# Altium PCB Split_pcb.PcbDoc (part 1 of 2) (continued)
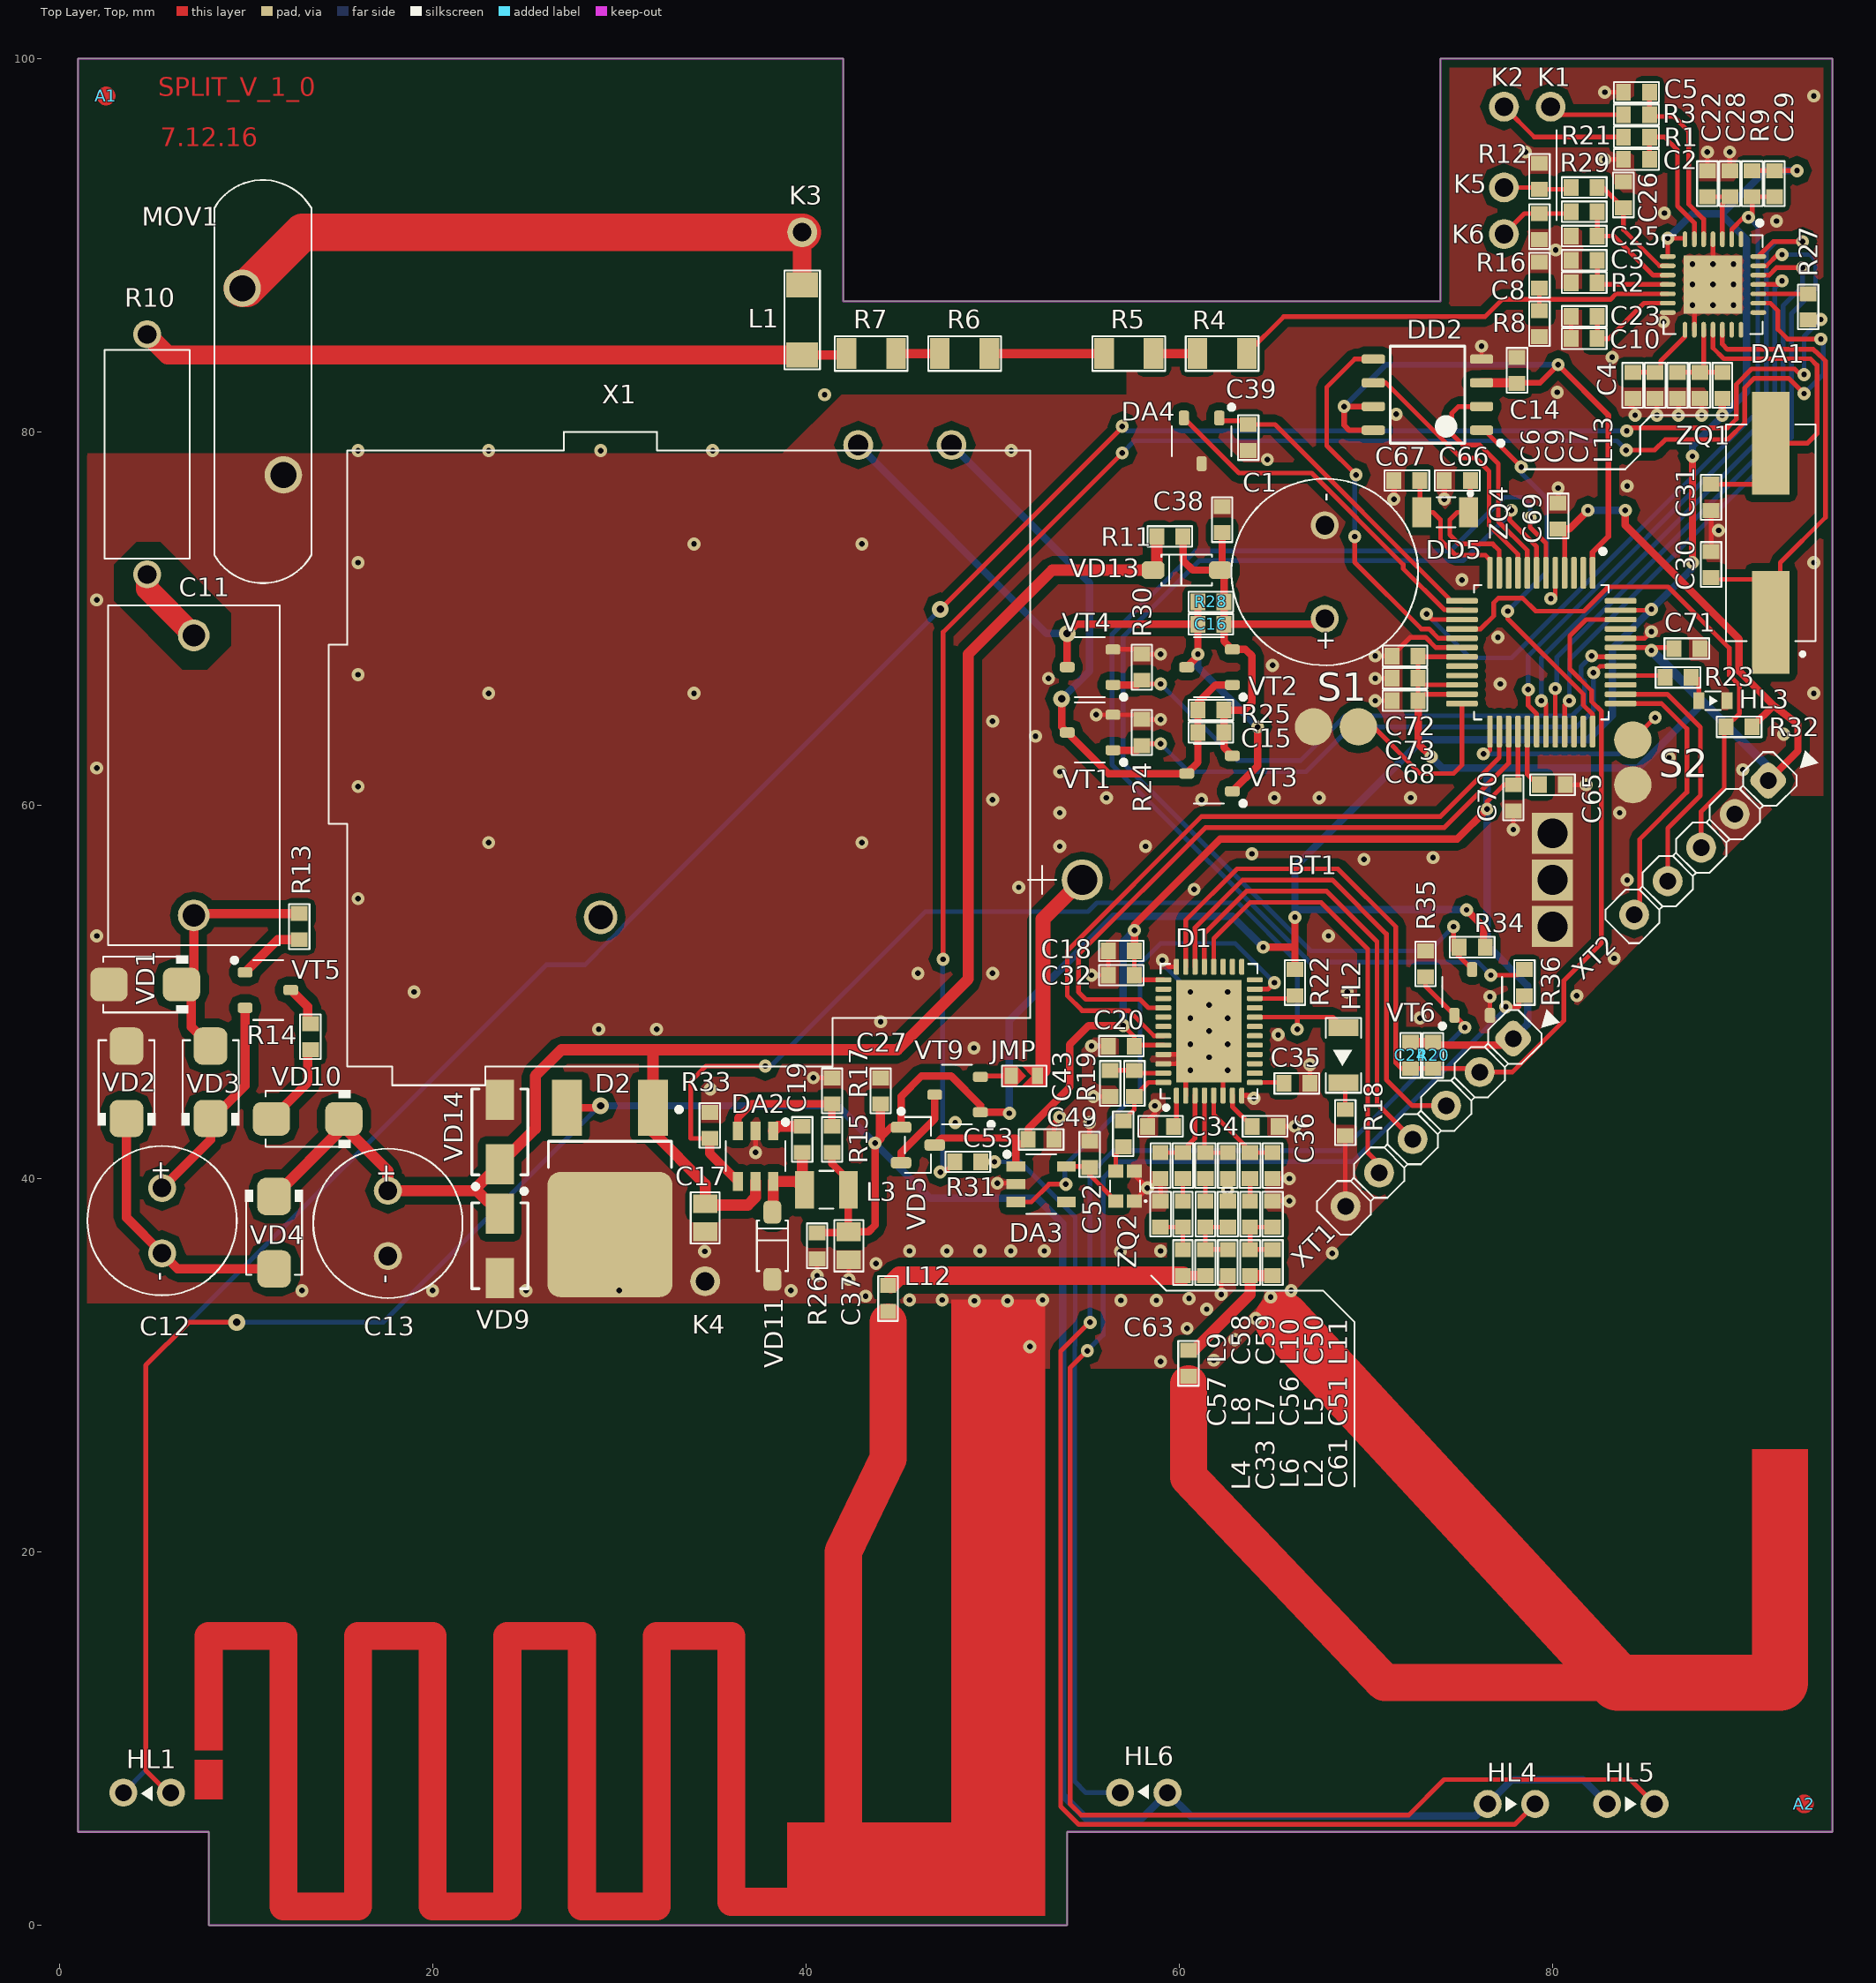
[diagram p0: Top Layer, Top view]
## Footprints (in the part's own frame and the unit in brackets; to place one, negate y for a bottom-side part, rotate by r counter-clockwise, add the part's x,y. Pads: shape width x height; smd on the part's side, far side on the other; paste and mask are expansions set on the pad)
2x1,6_4pin [mm] "4-Leads, Body 2x1,6mm"
  rect 0.7x0.8 smd mask+0.05: 1(-0.8,-0.5) 2(0.8,-0.5) 3(0.8,0.5) 4(-0.8,0.5)
  silkscreen extent -0.85,-1.15 0.3,0.8, body extent -1,-0.8 1,0.8, height 0.8
25PX1000MEFCT810X16 [mm]
  round 1.5 hole 1: 1(-2.5,0) 2(2.5,0)
  silkscreen extent -5,-5 5,5, body extent -4.97,-5.09 5.19,5.04, height 20.32
B32922C3474K189 [mm]
  round 1.7 hole 1.2: 1(-7.5,0) 2(7.5,0)
  silkscreen extent -9.1,-4.6 9.1,4.6, body extent -9,-4.5 9,4.5, height 15
CAP_0603 [mm] "Chip Capacitor, 2-Leads, Body 1,6x0,8mm, IPC High Density"
  rect 0.8x0.9 smd: 1(-0.7,0) 2(0.7,0)
  silkscreen extent -1.2,-0.55 1.2,0.55, body extent -0.87,-0.45 0.87,0.45, height 0.88
CAP_0805 [mm] "Chip Capacitor, 2-Leads, Body 2,0x1,3mm, IPC High Density"
  rect 1x1.3 smd: 1(-0.75,0) 2(0.75,0)
  Top Layer, Top pour cut-out: -0.25,0.825 0.25,0.825 0.25,-0.825 -0.25,-0.825
  silkscreen extent -1.37,-0.77 1.38,0.77, body extent -1.07,-0.7 1.07,0.7, height 1.36
DO-214AC [mm] "Molded Diode, 2-Leads, Body 4,3x2,6mm, IPC Medium Density"
  rect 2.15x1.5 smd: 1(-1.725,0) 2(1.725,0)
  silkscreen extent -3.05,-1.5 2.3,1.5, body extent -2.3,-1.45 2.3,1.45, height 2.6
DPAK [mm]
  rect 3x1.6 smd: 1(-5.1,2.3) 3(-5.1,-2.3)
  rrect20% 6.7x6.7 smd: 2(1.7,0)
  silkscreen extent -5.12,-3.3 -1.9,3.83, body extent -5.81,-3.27 4.13,3.27, height 2.34
ER14250 [mm] "battery"
  round 2.2 hole 1.6: 1(-12.6,0)
  rect 2.2x2.2 hole 1.6: 2(12.6,-2.5) 2(12.6,0) 2(12.6,2.5)
  body extent -12.7,-7.3 12.7,7.2, height 14.75
GRT508B [mm]
  round 1.6 hole 1.1: 1(4.6,-0.3) 2(9.6,-0.3)
  round 1.8 hole 1.3: 6(23.4,25)
  body extent -1,-8 37.6,34.1, height 17.8
HC49US [mm] "2-Leads, Body 12,7x4,7mm"
  rect 5.5x2 smd mask+0.05: 1(-4.8,0) 2(4.8,0)
  silkscreen extent -6.55,-2.4 5.8,2.4, body extent -6.35,-2.35 6.35,2.35, height 4.2
IND_0603 [mm] "Chip Inductor, 2-Leads, Body 1,6x0,8mm, IPC High Density"
  rect 0.8x0.85 smd: 1(-0.7,0) 2(0.7,0)
  Top Layer, Top pour cut-out: -0.3,0.575 -0.3,-0.575 0.3,-0.575 0.3,0.575
  silkscreen extent -1.2,-0.53 1.2,0.53, body extent -0.87,-0.48 0.88,0.48, height 0.96
IND_1007 [mm]
  rect 1x2 smd: 1(-1.173,0) 2(1.173,0)
  silkscreen extent -0.38,-1.02 0.38,1.02, body extent -1.25,-0.89 1.25,0.91, height 1.79
IND_1806 [mm]
  rect 1.35x1.7 smd: 1(-1.875,0) 2(1.875,0)
  silkscreen extent -2.65,-0.95 2.65,0.95, body extent -2.25,-0.8 2.25,0.8, height 1.58
JMP_PCB [mm] "Chip Resistor, 2-Leads, Body 1,6x0,8mm, IPC High Density"
  rect 0.6x0.9 smd: 1(-0.7,0)
  rect 0.7x0.9 smd: 2(0.7,0)
  Top Layer, Top region: 0.108,0.508 -0.4,0 0.108,-0.508 -1.143,-0.508 -1.143,0.508
  Top Layer, Top region: -0.1,0 0.408,0.508 1.143,0.508 1.143,-0.508 0.408,-0.508
  silkscreen extent -1.2,-0.55 1.2,0.55, body extent -0.87,-0.43 0.87,0.43, height 0.51
KX-327NHT [mm]
  rect 1x1.6 smd mask+0.05: 1(-1.2,0) 2(1.3,0)
  silkscreen extent -1.4,-1.1 0.5,0.8, body extent -1.6,-0.75 1.6,0.75, height 0.8
LED_5mm [mm]
  round 1.5 hole 0.9: 1(1.27,0) 2(-1.27,0)
  body extent -2.55,-2.95 2.9,2.95, height 8.25
LED_0603_RED [mm] "Chip Led, 2-Leads, Body 1,6x0,8mm, IPC High Density"
  rect 0.6x0.9 smd: 1(0.75,0) 2(-0.75,0)
  Top Layer, Top pour cut-out: -0.45,0.6 -0.45,-0.6 0.45,-0.6 0.45,0.6
  silkscreen extent -0.4,-0.5 0.4,0.5, body extent -0.87,-0.43 0.87,0.43, height 1.1
LED_1206_RED_Bottom [mm]
  rect 0.9x1.6 smd: 1(-1.475,0) 2(1.475,0)
  Top Layer, Top pour cut-out: -0.85,1 0.85,1 0.85,-1 -0.85,-1
  silkscreen extent -2,-0.95 2,0.95, body extent -1.6,-0.8 1.6,0.8, height 0.25
PLS-5 [mm] "Jumper 5 pins with 2.54mm pich"
  rrect50% 1.6x1.6 hole 0.9: 1(-2.54,0)
  round 1.6 hole 0.9: 2(0,0) 3(2.54,0) 4(5.08,0) 5(7.62,0)
  silkscreen extent -5.1,-1.27 8.89,1.27, body extent -3.81,-1.27 8.89,1.27, height 8.54
PLS-6 [mm] "PLS connector 6 pins with 2.54mm pich"
  rrect50% 1.6x1.6 hole 0.9: 1(-6.35,0)
  round 1.6 hole 0.9: 2(-3.81,0) 3(-1.27,0) 4(1.27,0) 5(3.81,0) 6(6.35,0)
  silkscreen extent -8.72,-1.27 7.62,1.27, body extent -7.62,-1.27 7.62,1.27, height 8.54
QFN-29 [mm] "QFN, 28-Leads, Body 5x5mm, Pitch 0.5mm, Thermal Pad 3.13x3.13mm, IPC Medium Density"
  oval 0.85x0.25 smd mask+0.05: 1(-2.425,1.5) 2(-2.425,1) 3(-2.425,0.5) 4(-2.425,0) 5(-2.425,-0.5) 6(-2.425,-1) 7(-2.425,-1.5) 15(2.425,-1.5) 16(2.425,-1) 17(2.425,-0.5) 18(2.425,0) 19(2.425,0.5) 20(2.425,1) 21(2.425,1.5)
  oval 0.25x0.85 smd mask+0.05: 8(-1.5,-2.425) 9(-1,-2.425) 10(-0.5,-2.425) 11(0,-2.425) 12(0.5,-2.425) 13(1,-2.425) 14(1.5,-2.425) 22(1.5,2.425) 23(1,2.425) 24(0.5,2.425) 25(0,2.425) 26(-0.5,2.425) 27(-1,2.425) 28(-1.5,2.425)
  rect 3.13x3.13 smd mask+0.05: 29(0,0)
  silkscreen extent -3.42,-2.65 2.65,2.65, body extent -2.52,-2.52 2.52,2.52, height 0.9
QFN-40_ [mm] "QFN, 40-Leads, Body 7x5mm, Pitch 0.5mm"
  rrect50% 0.85x0.28 smd mask+0.05: 1(-3.45,1.75) 2(-3.45,1.25) 3(-3.45,0.75) 4(-3.45,0.25) 5(-3.45,-0.25) 6(-3.45,-0.75) 7(-3.45,-1.25) 8(-3.45,-1.75) 21(3.45,-1.75) 22(3.45,-1.25) 23(3.45,-0.75) 24(3.45,-0.25) 25(3.45,0.25) 26(3.45,0.75) 27(3.45,1.25) 28(3.45,1.75)
  rrect50% 0.28x0.85 smd mask+0.05: 9(-2.75,-2.45) 10(-2.25,-2.45) 11(-1.75,-2.45) 12(-1.25,-2.45) 13(-0.75,-2.45) 14(-0.25,-2.45) 15(0.25,-2.45) 16(0.75,-2.45) 17(1.25,-2.45) 18(1.75,-2.45) 19(2.25,-2.45) 20(2.75,-2.45) 29(2.75,2.45) 30(2.25,2.45) 31(1.75,2.45) 32(1.25,2.45) 33(0.75,2.45) 34(0.25,2.45) 35(-0.25,2.45) 36(-0.75,2.45) 37(-1.25,2.45) 38(-1.75,2.45) 39(-2.25,2.45) 40(-2.75,2.45)
  rect 5.5x3.5 smd mask+0.05: 41(0,0)
  silkscreen extent -4.2,-2.6 3.6,2.6, body extent -3.5,-2.5 3.5,2.5, height 1
REPzn [mm]
  Top Layer, Top circle w0.5: c0,0 r0.25
  Top Layer, Top pour cut-out: -0.725,0.7 -0.55,0.825 -0.375,0.925 -0.2,0.975 0,1 0.2,0.975 0.375,0.925 0.55,0.825 0.725,0.7 0.85,0.525 0.925,0.375 0.975,0.175 1,0 0.975,-0.2 0.925,-0.4 0.825,-0.55 0.725,-0.7 0.575,-0.825 0.4,-0.925 0.2,-0.975 0,-1 -0.2,-0.975 -0.375,-0.925 -0.55,-0.825 -0.725,-0.7 -0.825,-0.55 -0.925,-0.375 -0.975,-0.2 -1,0 -0.975,0.2 -0.925,0.375 -0.825,0.55
RES_0603 [mm] "Chip Resistor, 2-Leads, Body 1,6x0,8mm, IPC High Density"
  rect 0.8x0.9 smd: 1(-0.7,0) 2(0.7,0)
  silkscreen extent -1.2,-0.55 1.2,0.55, body extent -0.87,-0.43 0.87,0.43, height 0.51
RES_1206 [mm] "Chip Resistor, 2-Leads, Body 3,1x1,6mm, IPC High Density"
  rect 1.05x1.65 smd: 1(-1.325,0) 2(1.325,0)
  Top Layer, Top pour cut-out: -0.8,0.975 -0.8,-0.975 0.8,-0.975 0.8,0.975
  silkscreen extent -1.95,-0.92 1.95,0.92, body extent -1.62,-0.85 1.62,0.85, height 0.61
RES_TH_1W_68Ohm [mm]
  round 1.5 hole 1: 1(-6.429,0) 2(6.429,0)
  silkscreen extent -5.59,-2.29 5.59,2.29, body extent -6.72,-1.87 6.73,1.88, height 4.38
SMA [mm]
  rrect50% 2x1.8 smd: 1(-1.94,0) 2(1.94,0)
  silkscreen extent -2.3,-1.55 2.25,1.55, body extent -2.42,-1.4 2.42,1.4, height 2.4
SOD123 [mm] "Molded Diode, 2-Leads, Body 2,7x1,65mm, IPC High Density"
  rrect50% 1.22x0.95 smd: 1(-1.8,0) 2(1.8,0)
  silkscreen extent -1.35,-0.83 1.35,0.83, body extent -2.04,-0.82 2.04,0.82, height 0.96
SOIC-8 [mm] "SOIC, 8-Leads, Body 6.2x5mm (max), Pitch 1.27mm, IPC Medium Density"
  rrect50% 1.25x0.5 smd paste+0: 1(-2.9,1.905) 2(-2.9,0.635) 3(-2.9,-0.635) 4(-2.9,-1.905) 5(2.9,-1.905) 6(2.9,-0.635) 7(2.9,0.635) 8(2.9,1.905)
  silkscreen extent -4.05,-2.6 2,2.72, body extent -3,-2.45 3,2.45, height 1.75
SOT23 [mm] "SOT23, 3-Leads, Body 3,0x2,5mm (max), Pitch 0,95mm, IPC High Density"
  rrect50% 1.1x0.6 smd: 1(-0.9,0.95) 2(-0.9,-0.95) 3(0.9,0)
  silkscreen extent -1.02,-1.5 0.7,1.92, body extent -1.25,-1.5 1.25,1.5, height 1.06
SOT-23 [mm] "SOT-23, 6-Leads, Body 2.2x2.2mm (max), Pitch 0.95mm, IPC Medium Density"
  rect 1x0.55 smd mask+0.05: 1(-1.35,0.95) 2(-1.35,0) 3(-1.35,-0.95) 4(1.35,-0.95) 5(1.35,0) 6(1.35,0.95)
  silkscreen extent -1.95,-1.6 0.8,1.73, body extent -1.4,-1.45 1.4,1.45, height 1.45
SOT-23-3 [mm] "SOT-23, 3-Leads, Body 2.2x2.2mm (max), Pitch 0.95mm, IPC Medium Density"
  rrect50% 0.8x0.55 smd mask+0.05: 1(-1.25,0.95) 2(-1.25,-0.95) 3(1.2,0)
  silkscreen extent -1.95,-1.6 0.8,1.73, body extent -1.4,-1.45 1.4,1.45, height 1.3
SOT-23-5 [mm] "SOT-23, 6-Leads, Body 2.2x2.2mm (max), Pitch 0.95mm, IPC Medium Density"
  rect 1x0.55 smd mask+0.05: 1(-1.35,0.95) 2(-1.35,0) 3(-1.35,-0.95) 4(1.35,-0.95) 5(1.35,0.95)
  silkscreen extent -1.95,-1.6 0.8,1.72, body extent -1.4,-1.45 1.4,1.45, height 1.45
"Test Point_TH_1mm" [mm] "ThroughHole Test Point Pad"
  round 1.6 hole 1 mask+0.05: 1(0,0)
TQFP-48 [mm] "QFP, 128-Leads, Body 7x7mm, Pitch 0.5mm"
  rrect50% 1.7x0.3 smd mask+0.05: 1(-4.25,2.75) 2(-4.25,2.25) 3(-4.25,1.75) 4(-4.25,1.25) 5(-4.25,0.75) 6(-4.25,0.25) 7(-4.25,-0.25) 8(-4.25,-0.75) 9(-4.25,-1.25) 10(-4.25,-1.75) 11(-4.25,-2.25) 12(-4.25,-2.75) 25(4.25,-2.75) 26(4.25,-2.25) 27(4.25,-1.75) 28(4.25,-1.25) 29(4.25,-0.75) 30(4.25,-0.25) 31(4.25,0.25) 32(4.25,0.75) 33(4.25,1.25) 34(4.25,1.75) 35(4.25,2.25) 36(4.25,2.75)
  rrect50% 0.3x1.7 smd mask+0.05: 13(-2.75,-4.25) 14(-2.25,-4.25) 15(-1.75,-4.25) 16(-1.25,-4.25) 17(-0.75,-4.25) 18(-0.25,-4.25) 19(0.25,-4.25) 20(0.75,-4.25) 21(1.25,-4.25) 22(1.75,-4.25) 23(2.25,-4.25) 24(2.75,-4.25) 37(2.75,4.25) 38(2.25,4.25) 39(1.75,4.25) 40(1.25,4.25) 41(0.75,4.25) 42(0.25,4.25) 43(-0.25,4.25) 44(-0.75,4.25) 45(-1.25,4.25) 46(-1.75,4.25) 47(-2.25,4.25) 48(-2.75,4.25)
  silkscreen extent -5.52,3.18 -5.28,3.43, body extent -4.51,-4.51 4.51,4.51, height 1.08
UVR1C471MPD1TD [mm]
  round 1.5 hole 1: 1(-1.75,0) 2(1.75,0)
  silkscreen extent -4,-4 4,4, body extent -3.98,-4 3.98,4, height 15
Varistor_14mm [mm]
  round 2 hole 1.4: 1(-5,-1.1) 2(5,1.1)
  silkscreen extent -10.8,-2.6 10.8,2.6, body extent -10.75,-2.61 10.75,2.6, height 26.75

## Part data
BT1: library part ER14250, "Fanso Battery 3.6V", Manufacturer=Fanso, Voltage=3.6В, Autor=Admin, Data=05-26-2016, ID=44, PartNumber=ER14250, Type=Battery, Температура=-40...+85°C
C1: library part 25PX1000MEFCT810X16, "Конденсатор RADIAL 1000 мкФ 25 В 20% Electrolitic", Manufacturer=Rubycon, Tolerance=20%, Autor=Admin, Data=05-24-2016, ID=188, PartNumber=25PX1000MEFCT810X16, Type=RADIAL, Диэлектрик=Electrolitic, Напряжение="25 В", Температура=-55...+85°C
C2 C3 C5 C8 C25 C26: library part CC0603KRX7R9BB333, "Конденсатор CHIP-0603 33 нФ 50 В 10% X7R", Manufacturer=YAGEO, Tolerance=10%, Autor="Цислав А.Н.", Data=09-05-2013, ID=63, PartNumber=CC0603KRX7R9BB333, Type=CHIP-0603, Диэлектрик=X7R, Напряжение="50 В", Температура=-55...+85°C
C4 C7 C10 C18 C22 C27 C68: library part CC0603KRX5R6BB475, "Конденсатор CHIP-0603 4.7 мкФ 10 В 10% X5R", Manufacturer=YAGEO, Tolerance=10%, Autor="Цислав А.Н.", Data=09-05-2013, ID=71, PartNumber=CC0603KRX5R6BB475, Type=CHIP-0603, Диэлектрик=X5R, Напряжение="10 В", Температура=-55...+85°C
C6 C9 C14 C15 C16 C20 C23 C28 C29 C32 C34 C36 C38 C39 C69 C70 C71 C72 C73: library part CC0603KRX7R7BB104, "Конденсатор CHIP-0603 0.1 мкФ 16 В 10% X7R", Manufacturer=YAGEO, Tolerance=10%, Autor=Admin, Data=08-29-2013, ID=27, PartNumber=CC0603KRX7R7BB104, Type=CHIP-0603, Диэлектрик=X7R, Напряжение="16 В", Температура=-55...+85°C
C11: library part "CL21  400V-1.0mF", "Конденсатор RADIAL 1 мкФ 400 В 10% Film", Manufacturer=NoName, Tolerance=10%, Autor=Admin, Data=10-04-2016, ID=194, PartNumber="CL21  400V-1.0mF", Type=RADIAL, Диэлектрик=Film, Напряжение="400 В", Температура=-55...+85°C
C12 C13: library part UVZ1H101MPD1TD, "Конденсатор RADIAL 100 мкФ 50 В 20% Electrolitic", Manufacturer=Nichicon, Tolerance=20%, Autor=Admin, Data=05-23-2016, ID=186, PartNumber=UVZ1H101MPD1TD, Type=RADIAL, Диэлектрик=Electrolitic, Напряжение="50 В", Температура=-55...+85°C
C17: library part CL21A106KAFN3NE, "Конденсатор CHIP-0805 10 мкФ 25 В 10% X5R", Manufacturer=Samsung, Tolerance=10%, Autor=Admin, Data=05-23-2016, ID=184, PartNumber=CL21A106KAFN3NE, Type=CHIP-0805, Диэлектрик=X5R, Напряжение="25 В", Температура=-55...+85°C
C19 C24 C43 C49: library part CC0603KRX7R9BB103, "Конденсатор CHIP-0603 10 нФ 50 В 10% X7R", Manufacturer=YAGEO, Tolerance=10%, Autor=Admin, Data=11-30-2015, ID=155, PartNumber=CC0603KRX7R9BB103, Type=CHIP-0603, Диэлектрик=X7R, Напряжение="50 В", Температура=-55...+85°C
C30 C31 C66 C67: library part CL10C180JB8NNNC, "Конденсатор CHIP-0603 18 пФ 50 В 5% NPO", Manufacturer=Samsung, Tolerance=5%, Autor=Admin, Data=05-16-2016, ID=182, PartNumber=CL10C180JB8NNNC, Type=CHIP-0603, Диэлектрик=NPO, Напряжение="50 В", Температура=-55...+85°C
C33 C56 C58 C59: library part CC0603CRNPO9BN4R7, "Конденсатор CHIP-0603 4.7 пФ 50 В +/- 0.25 пФ NPO", Manufacturer=YAGEO, Tolerance="+/- 0.25 пФ", Autor="Цислав А.Н.", Data=09-05-2013, ID=36, PartNumber=CC0603CRNPO9BN4R7, Type=CHIP-0603, Диэлектрик=NPO, Напряжение="50 В", Температура=-55...+85°C
C35: library part CC0603JRNPO9BN390, "Конденсатор CHIP-0603 39 пФ 50 В 5% NPO", Manufacturer=YAGEO, Tolerance=5%, Autor=Admin, Data=04-15-2016, ID=175, PartNumber=CC0603JRNPO9BN390, Type=CHIP-0603, Диэлектрик=NPO, Напряжение="50 В", Температура=-55...+85°C
C37: library part GRM21BR60J226ME39L, "Конденсатор CHIP-0805 22 мкФ 6.3 В 20% X5R", Manufacturer=MURATA, Tolerance=20%, Autor="Цислав А.Н.", Data=09-05-2013, ID=30, PartNumber=GRM21BR60J226ME39L, Type=CHIP-0805, Диэлектрик=X5R, Напряжение="6.3 В", Температура=-55...+85°C
C50 C63: library part GRM1885C1H2R7CA01D, "Конденсатор CHIP-0603 2.7 пФ 50 В +/- 0.25 пФ NPO", Manufacturer=MURATA, Tolerance="+/- 0.25 пФ", Autor=Admin, Data=04-15-2016, ID=176, PartNumber=GRM1885C1H2R7CA01D, Type=CHIP-0603, Диэлектрик=NPO, Напряжение="50 В", Температура=-55...+85°C
C51 C61: library part CL10C3R6CB8NNNC, "Конденсатор CHIP-0603 3.6 пФ 50 В +/- 0.25 пФ NPO", Manufacturer=Samsung, Tolerance="+/- 0.25 пФ", Autor=Admin, Data=04-15-2016, ID=177, PartNumber=CL10C3R6CB8NNNC, Type=CHIP-0603, Диэлектрик=NPO, Напряжение="50 В", Температура=-55...+85°C
C52 C53 C65: library part CC0603KRX7R7BB105, "Конденсатор CHIP-0603 1 мкФ 16 В 10% X7R", Manufacturer=YAGEO, Tolerance=10%, Autor="Цислав А.Н.", Data=09-05-2013, ID=68, PartNumber=CC0603KRX7R7BB105, Type=CHIP-0603, Диэлектрик=X7R, Напряжение="16 В", Температура=-55...+85°C
C57: library part CC0603JRNPO9BN100, "Конденсатор CHIP-0603 10 пФ 50 В 5% NPO", Manufacturer=YAGEO, Tolerance=5%, Autor="Цислав А.Н.", Data=09-05-2013, ID=38, PartNumber=CC0603JRNPO9BN100, Type=CHIP-0603, Диэлектрик=NPO, Напряжение="50 В", Температура=-55...+85°C
D1: "Микросхема Axsem  SoC Ultra-Low Power RF-Microcontroller", Current="60 мА", Manufacturer=Axsem, Voltage=5В, Autor=Admin, Data=02-18-2015, ID=125, PartNumber=AX8052F143, Type=MCUs, Температура=-40...+85°C
D2: library part LP2950CDT-3.3RKG, "Микросхема ON Semiconductor  100 mA, Low Power Low Dropout Voltage Regulator", Current="100 мА", Manufacturer="ON Semiconductor", Voltage=3.3В, Autor=Admin, Data=10-31-2016, ID=367, PartNumber=LP2950CDT-3.3RKG, Type=LDOs, Температура=-40...+85°C
DA1: library part ADE7953ACPZ, "Микросхема Analog Devices  Single Phase, Multifunction Metering IC", Current="100 мА", Manufacturer="Analog Devices", Voltage=3.3В, Autor=Admin, Data=05-13-2016, ID=308, PartNumber=ADE7953ACPZ, Type=Amplifiers, Температура=-40...+85°C
DA2: "Микросхема Alpha & Omega Semiconductor  Simple Buck Regulator", Current="1.2 А", Manufacturer="Alpha & Omega Semiconductor", Voltage=26В, Autor=Admin, Data=05-23-2016, ID=317, PartNumber=AOZ1280CI, Type="DC/DC Step-Down", Температура=-40...+85°C
DA3: library part AP2127K-1.8TRG1, "Микросхема Diodes  LOW NOISE CMOS LDO REGULATOR", Current="300 мА", Manufacturer=Diodes, Voltage=6В, Autor=Admin, Data=09-09-2015, ID=205, PartNumber=AP2127K-1.8TRG1, Type=LDOs, Температура=-40...+85°C
DA4: "Микросхема Diodes  MICROPOWER OMNIPOLAR HALL-EFFECT SWITCH", Current="24 мкА", Manufacturer=Diodes, Voltage=5В, Autor=Admin, Data=04-15-2016, ID=302, PartNumber=AH180N-WG-7, Type=Interfaces, Температура=-40...+85°C
DD2: "Микросхема Adesto  SPI Serial Flash Memory 4-Mbit", Current="15 мА", Manufacturer=Adesto, Voltage=3.3В, Autor=Admin, Data=05-24-2016, ID=323, PartNumber=AT25SF041-SSHD-T, Type=Memory, Температура=-40...+85°C
DD5: library part EFM32HG222F64G, "Микросхема Silicon Labs  ARM Cortex-M0+", Current="10 мА", Manufacturer="Silicon Labs", Voltage=3.3В, Autor=Admin, Data=05-24-2016, ID=324, PartNumber=EFM32HG222F64G, Type=MCUs, Температура=-40...+85°C
HL1 HL6: "Диод Everlight 2.5 В 20 мА", Current="20 мА", Manufacturer=Everlight, Autor=Admin, Data=05-26-2016, ID=52, PartNumber=MV6951, Type=LED, U_direct="2.5 В", Температура=-40...+85°C
HL2: "Диод Kingbright 1.85 В 20 мА", Current="20 мА", Manufacturer=Kingbright, Autor=Admin, Data=10-17-2016, ID=34, PartNumber=APT3216SRCPRV, Type=LED, U_direct="1.85 В", Температура=-40...+85°C
HL3: "Диод Kingbright 2 В 20 мА", Current="20 мА", Manufacturer=Kingbright, Autor="Цислав А.Н.", Data=04-30-2014, ID=13, PartNumber=KPH-1608HD, Type=LED, U_direct="2 В", Температура=-40...+85°C
HL4: "Диод OSRAM 1 В 20 мА", Current="20 мА", Manufacturer=OSRAM, Autor=Admin, Data=10-26-2016, ID=58, PartNumber=SFH203FA, Type=LED, U_direct="1 В", U_reverse="50 В", Температура=-40...+85°C
HL5: "Диод Kingbright 1 В 20 мА", Current="20 мА", Manufacturer=Kingbright, Autor=Admin, Data=10-26-2016, ID=59, PartNumber=L-53F3C, Type=LED, U_direct="1 В", U_reverse="40 В", Температура=-40...+85°C
JMP: library part JMP_PCB, "NoName  PCB Jumper", Manufacturer=NoName, Autor=Admin, Data=06-16-2016, ID=46, PartNumber=JMP_PCB, Type=Debug, Температура=-40...+85°C
K1 K2 K3 K4 K5 K6: library part Test_Point_TH_1mm, Autor="Цислав А.Н.", Data=12-12-2014, ID=27, PartNumber=Test_Point_TH_1mm, Type=Debug
L1: library part FBMJ4516HS111-T, "Резистор BEAD-1806 110 Ом 10%", Current="4 А", Manufacturer="Taiyo Yuden", Tolerance=10%, Autor=Admin, Data=06-16-2016, ID=165, PartNumber=FBMJ4516HS111-T, Type=BEAD-1806, Температура=-40...+85°C
L2: library part L-14C2N2SV4T, "Катушка индуктивности CHIP-0603 2.2 нГн ±0.3 нГн", Current="300 мА", Manufacturer="Johanson Technology Inc.", Tolerance="±0.3 нГн", Autor=Admin, Data=08-26-2016, ID=168, PartNumber=L-14C2N2SV4T, Type=CHIP-0603, Температура=-40...+85°C
L3: library part LBC2518T4R7M, "Катушка индуктивности CHIP-1007 4.7 мкГн 20%", Current="500 мА", Manufacturer="Taiyo Yuden", Tolerance=20%, Autor=Admin, Data=05-23-2016, ID=164, PartNumber=LBC2518T4R7M, Type=CHIP-1007, Температура=-40...+85°C
L4 L6 L12: library part LQW18AN27NG00, "Катушка индуктивности CHIP-0603_RF 27 нГн 2%", Current="400 мА", Manufacturer=MURATA, Tolerance=2%, Autor="Цислав А.Н.", Data=01-14-2015, ID=112, PartNumber=LQW18AN27NG00, Type=CHIP-0603_RF, Температура=-40...+85°C
L5 L11: library part LQW18AN18NG00, "Катушка индуктивности CHIP-0603_RF 18 нГн 2%", Current="500 мА", Manufacturer=MURATA, Tolerance=2%, Autor="Цислав А.Н.", Data=01-14-2015, ID=87, PartNumber=LQW18AN18NG00, Type=CHIP-0603_RF, Температура=-40...+85°C
L7 L8: library part LQW18AN43NG00, "Катушка индуктивности CHIP-0603_RF 43 нГн 2%", Current="400 мА", Manufacturer=MURATA, Tolerance=2%, Autor="Цислав А.Н.", Data=01-14-2015, ID=117, PartNumber=LQW18AN43NG00, Type=CHIP-0603_RF, Температура=-40...+85°C
L9 L10: library part LQW18ANR10G00, "Катушка индуктивности CHIP-0603_RF 100 нГн 2%", Current="200 мА", Manufacturer=MURATA, Tolerance=2%, Autor="Цислав А.Н.", Data=01-14-2015, ID=126, PartNumber=LQW18ANR10G00, Type=CHIP-0603_RF, Температура=-40...+85°C
L13: library part BLM18PG121SH1, "Катушка индуктивности BEAD-0603 120 Ом 25%", Current="2 А", Manufacturer=MURATA, Tolerance=25%, Autor="Цислав А.Н.", Data=09-06-2013, ID=81, PartNumber=BLM18PG121SH1, Type=BEAD-0603, Температура=-40...+85°C
MOV1: library part B72214S421K331, "VARISTOR 680V 4.5KA DISC", Manufacturer=EPCOS, Autor=Admin, Data=05-24-2016, ID=536, PartNumber=B72214S421K331, Type=VARISTOR, Температура=-55...+155°C
R1 R2 R3 R8 R11 R12 R16 R18 R19 R21 R23 R24 R27 R29 R30 R31: library part RC0603FR-071K, "Резистор CHIP-0603 1 кОм 1%", Manufacturer=YAGEO, Tolerance=1%, Autor="Цислав А.Н.", Data=09-05-2013, ID=121, PartNumber=RC0603FR-071K, Type=CHIP-0603, ТКС="100 ppm/K", Температура=-55...+85°C
R4 R5 R6 R7: library part RNCF1206DTE523K, "Резистор CHIP-1206 523 кОм 0.5%", Manufacturer="Stackpole Electronics", Tolerance=0.5%, Autor=Admin, Data=05-16-2016, ID=531, PartNumber=RNCF1206DTE523K, Type=CHIP-1206, ТКС="25 ppm/K", Температура=-55...+155°C
R9 R13 R20 R22 R25 R28 R32 R33 R34: library part RC0603FR-0710K, "Резистор CHIP-0603 10 кОм 1%", Manufacturer=YAGEO, Tolerance=1%, Autor="Цислав А.Н.", Data=09-05-2013, ID=169, PartNumber=RC0603FR-0710K, Type=CHIP-0603, ТКС="100 ppm/K", Температура=-55...+85°C
R10: library part "CF-100 (С1-4) 1 Вт", "Резистор RES_TH 68 Ом 5%", Manufacturer=NoName, Tolerance=5%, Autor=Admin, Data=10-04-2016, ID=546, PartNumber="CF-100 (С1-4) 1 Вт", Type=RES_TH, ТКС="100 ppm/K", Температура=-55...+155°C
R14: library part RC0603JR-0747RL, "Резистор CHIP-0603 47 Ом 5%", Manufacturer=YAGEO, Tolerance=5%, Autor="Цислав А.Н.", Data=08-29-2013, ID=16, PartNumber=RC0603JR-0747RL, Type=CHIP-0603, ТКС="100 ppm/K", Температура=-55...+85°C
R15 R26: library part RC1608F472CS, "Резистор CHIP-0603 4,7 кОм 1%", Manufacturer=Samsung, Tolerance=1%, Autor=Admin, Data=05-23-2016, ID=534, PartNumber=RC1608F472CS, Type=CHIP-0603, ТКС="100 ppm/K", Температура=-55...+155°C
R17: library part RC0603F152CS, "Резистор CHIP-0603 1,5 кОм 1%", Manufacturer=Samsung, Tolerance=1%, Autor=Admin, Data=06-16-2016, ID=538, PartNumber=RC0603F152CS, Type=CHIP-0603, ТКС="100 ppm/K", Температура=-55...+155°C
R35: library part RC0603FR-0747KL, "Резистор CHIP-0603 47 кОм 1%", Manufacturer=YAGEO, Tolerance=1%, Autor=Admin, Data=11-30-2015, ID=496, PartNumber=RC0603FR-0747KL, Type=CHIP-0603, ТКС="100 ppm/K", Температура=-55...+155°C
R36: library part RC1608F201CS, "Резистор CHIP-0603 200 Ом 1%", Manufacturer=Samsung, Tolerance=1%, Autor=Admin, Data=10-13-2016, ID=537, PartNumber=RC1608F201CS, Type=CHIP-0603, ТКС="100 ppm/K", Температура=-55...+155°C
VD1 VD2 VD3 VD4 VD10: library part S1M-13-F, "Диод Diodes 1 В 1 А", Current="1 А", Manufacturer=Diodes, Autor=Admin, Data=05-23-2016, ID=49, PartNumber=S1M-13-F, Type=Diode, U_direct="1 В", U_reverse="1000 В", Температура=-40...+85°C
VD5: "Диод NXP 500 мВ 500 мА", Current="500 мА", Manufacturer=NXP, Autor=Admin, Data=08-27-2015, ID=31, PartNumber=PMEG2005CT, Type="Diode Schottky", U_direct="500 мВ", U_reverse="20 В", Температура=-40...+85°C
VD9 VD14: library part SMAZ22-TP, "Диод Micro Commercial Co 1.2 В 1 А", Current="200 мА", Manufacturer="Micro Commercial Co", Autor=Admin, Data=08-11-2016, ID=56, PartNumber=SMAZ22-TP, Type="Diode Zener", U_direct="1.2 В", U_reverse="22 В", Температура=-40...+85°C
VD11 VD13: library part MBR0580S1-7, "Диод Diodes 500 мВ 500 мА", Current="500 мА", Manufacturer=Diodes, Autor=Admin, Data=05-23-2016, ID=48, PartNumber=MBR0580S1-7, Type="Diode Schottky", U_direct="500 мВ", U_reverse="80 В", Температура=-40...+85°C
VT1 VT4: "Микросхема NXP  N-channel Trench MOSFET", Current="300 мА", Manufacturer=NXP, Voltage=60В, Autor=Admin, Data=05-24-2016, ID=321, PartNumber=2N7002P, Type="MOSFET N-Channel", Температура=-40...+85°C
VT2 VT3: "Микросхема Infineon SIPMOS Small-Signal-Transistor", Current="300 мА", Manufacturer=Infineon, Voltage=60В, Autor=Admin, Data=05-24-2016, ID=320, PartNumber="BSS83P H6327", Type="MOSFET P-Channel", Температура=-40...+85°C
VT5: "Микросхема ON Semiconductor  General Purpose Transistors PNP", Current="600 мА", Manufacturer="ON Semiconductor", Voltage=60В, Autor=Admin, Data=05-23-2016, ID=319, PartNumber=MMBT2907ALT1G, Type="Bipolar PNP", Температура=-40...+85°C
VT6: "Микросхема Fairchild  N-Channel MOSFET", Current="600 мА", Manufacturer=Fairchild, Voltage=25В, Autor=Admin, Data=02-10-2015, ID=116, PartNumber=FDV303N, Type="MOSFET N-Channel", Температура=-40...+85°C
VT9: "Микросхема IR  HEXFET Power MOSFET  P-Channel", Current="2 А", Manufacturer=IR, Voltage=20В, Autor=Admin, Data=05-23-2016, ID=318, PartNumber=IRLML2246TRPbF, Type="MOSFET P-Channel", Температура=-40...+85°C
X1: library part GRT508B-80A, "Разъем GRT Relay", Current="10 А", Manufacturer=GRT, Autor=Admin, Contact=2, Data=06-07-2016, ID=146, Mounting=Сквозной, PartNumber=GRT508B-80A, Pitch="5 мм", Type=Relay
XT1: library part PLS-6, "Разъем NoName PLS", Current="2 А", Manufacturer=NoName, Autor=Admin, Contact=6, Data=09-04-2013, ID=7, Mounting=Сквозной, PartNumber=PLS-6, Pitch="2.54 мм", Type=PLS
XT2: library part PLS-5, "Разъем NoName PLS", Current="1 А", Manufacturer=NoName, Autor=Admin, Contact=5, Data=06-04-2016, ID=145, Mounting=Сквозной, PartNumber=PLS-5, Pitch="2.54 мм", Type=PLS
ZQ1: "Микросхема Abracon  SMD LOW PROFILE CRYSTAL", Manufacturer=Abracon, Autor=Admin, Data=05-16-2016, ID=311, PartNumber=ABLS-3.579545MHZ-B4-T, Type=Clocks, Температура=-20...+70°C
ZQ2: "Микросхема Pericom  TCXO 26MHz", Current="2 мА", Manufacturer=Pericom, Voltage=1.8В, Autor=Admin, Data=02-24-2015, ID=130, PartNumber=NT2016SA-26.000000MHZ-NBG2, Type=Clocks, Температура=-30...+85°C
ZQ4: "Микросхема Geyer  Quartz Crystal", Manufacturer=Geyer, Autor=Admin, Data=02-12-2015, ID=120, PartNumber="KX-327NHT 32.768 kHz", Type=Clocks, Температура=-40...+85°C
A1 A2: Autor="Цислав А.Н.", Data=05-05-2014, ID=16, PartNumber=Reper, Type=Debug

## Free pads (board coordinates)
  round 2 smd: 0(67.2,64.2) 0(69.6,64.2) 0(84.3,61.1) 0(84.3,63.5)

## Via types
v1: diameter 0.7, hole 0.3, Top Layer, Top to Bottom Layer, Bottom, tented both sides, 216 vias
v2: diameter 0.6, hole 0.3, Top Layer, Top to Bottom Layer, Bottom, tented both sides, 20 vias
v3: diameter 0.9, hole 0.4, Top Layer, Top to Bottom Layer, Bottom, tented both sides, 5 vias

## Nets (pads, with @x,y where several pads share a name; then routed paths per layer and width w, separated by ;. In a path a pad name is that pad's centre, name@x,y a point inside that pad or via, vN(x,y) a via of type N, cw(c..) or ccw(c..) an arc to the next point about the centre after c; other vN are vias at no path point)
3V: C18.1 C20.1 C24.2 C32.1 C53.1 C68.1 C69.1 C70.1 C71.1 C72.1 C73.1 D1.29 D1.36 DA3.1 DD5.4 DD5.19 DD5.22 DD5.23 DD5.28 DD5.43 R20.1 R32.1 VD5.3 XT1.1 XT2.1 | length 145.6
  Top Layer, Top w0.25: v1(57,48.2) 57.6,47.6 C20.1@57.6,47.1 57.65,47.15 D1.36@59.15,47.15 ; C18.1@57.6,52.2 C32.1@57.6,50.9 57.85,50.65 D1.29@59.15,50.65 ; DD5.23@75.15,65.95 73.15,65.95 C68.1@72.8,65.6 C73.1@72.8,66.8 ; DD5.22@75.15,66.45 73.15,66.45 C73.1@72.8,66.8 ; DD5.19@75.15,67.95 72.85,67.95 C72.1@72.8,68 C73.1@72.8,66.8 ; v1(76.5,59.8) 76.5,60.2 77.4,61.1 C70.1@77.9,61.1 78.15,61.35 DD5.28@78.15,63.95 ; C69.1@80.3,74.8 C69.1@80.5,74.8 ; C69.1@80.6,74.8 80.65,74.75 DD5.4@80.65,72.45 ; DD5.43@83.65,68.45 86.45,68.45 C71.1@86.5,68.4
  Top Layer, Top w0.4: VD5.3@46.9,41.8 47.275,42.175 51.25,42.175 51.25,41.85 51.65,41.85 C53.1@51.9,42.1 51.9,42.661 54.143,44.904 54.143,46.174 54.125,46.192 54.125,47.175 55.15,48.2 v1(57,48.2) ; DA3.1@51.25,40.65 51.25,41.8 ; C18.1@57.6,52.2 v1(57.6,53.3) 57.6,53.6 62.2,58.2 74.9,58.2 v1(76.5,59.8) ; C68.1@72.8,65.6 72.8,63.3 v1(73.5,62.6) ; R20.1@73.6,47.15 77.543,47.15 XT1.1@77.895,47.501 ; C69.1@80.5,74.8 80.6,74.8 80.9,74.8 v1(81.9,75.8) ; v1(83.9,75.8) 83.9,75 90.002,68.898 90.002,67.182 91.842,65.342 ; R32.1@90.7,64.2 91.842,65.342 ; XT2.1@91.56,61.322 93.15,62.912 93.15,64.35 91.842,65.342
  Top Layer, Top w0.5: C24.2@72.4,47.3 73.45,47.3 R20.1@73.6,47.15
  Bottom Layer, Bottom w0.4: v1(57,48.2) 57,52.7 v1(57.6,53.3) ; v1(73.5,62.6) 74.1,62 76.5,62 ; XT1.1@77.895,47.501 78.664,48.271 78.664,50.336 76.5,52.5 v1(76.5,59.8) 76.5,62 ; v1(81.9,75.8) v1(83.9,75.8) ; 88.125,65.525 88.1,65.5 84.6,62 76.5,62
  Bottom Layer, Bottom w0.5: v1(85.3,68.3) 88.1,65.5 91.56,62.04 XT2.1@91.56,61.322
3V_FLASH: C14.2 DD2.3 DD2.7 DD2.8 DD5.1 | length 33.8
  Top Layer, Top w0.3: DD2.8@70.4,80.095 69.105,80.095 68.835,80.365 v1(68.835,81.365) DD2.7@70.4,81.365 ; C14.2@77.8,82.635 79.335,82.635 v1(80.3,83.6) 83,80.9 83,74.4 82.15,73.55 DD5.1@82.15,72.45
  Top Layer, Top w0.5: DD2.3@76.2,82.635 C14.2@77.8,82.635
  Bottom Layer, Bottom w0.3: v1(68.835,81.365) 71.07,83.6 v1(80.3,83.6)